# KiCad board pcb.kicad_pcb
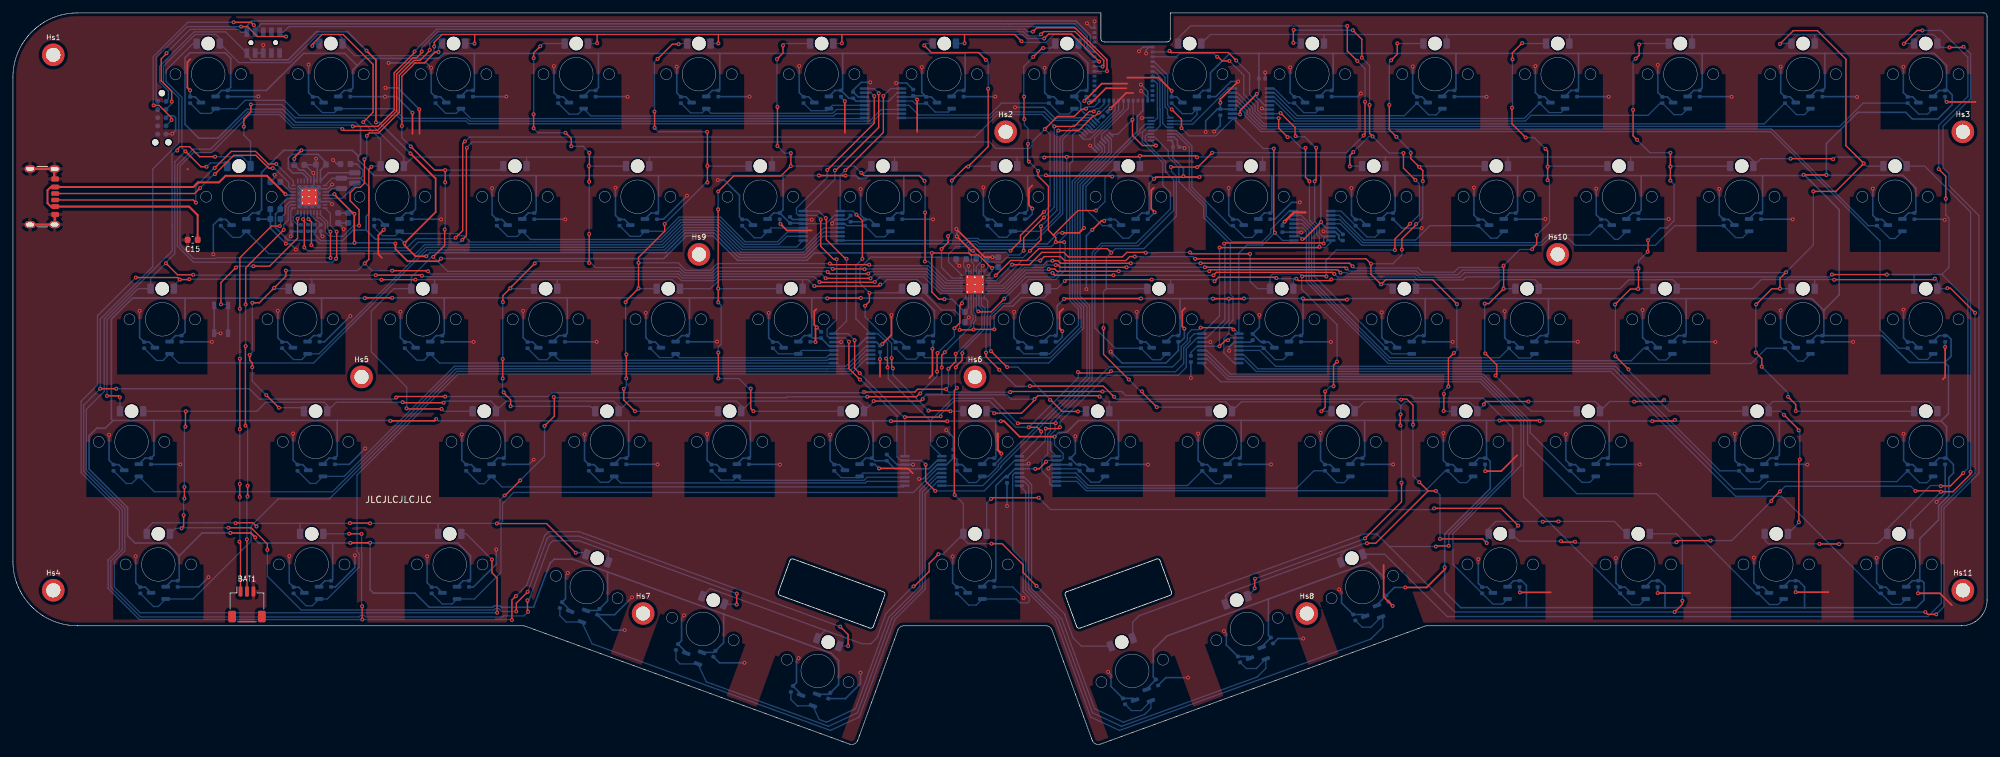
[diagram p0: board, top side]
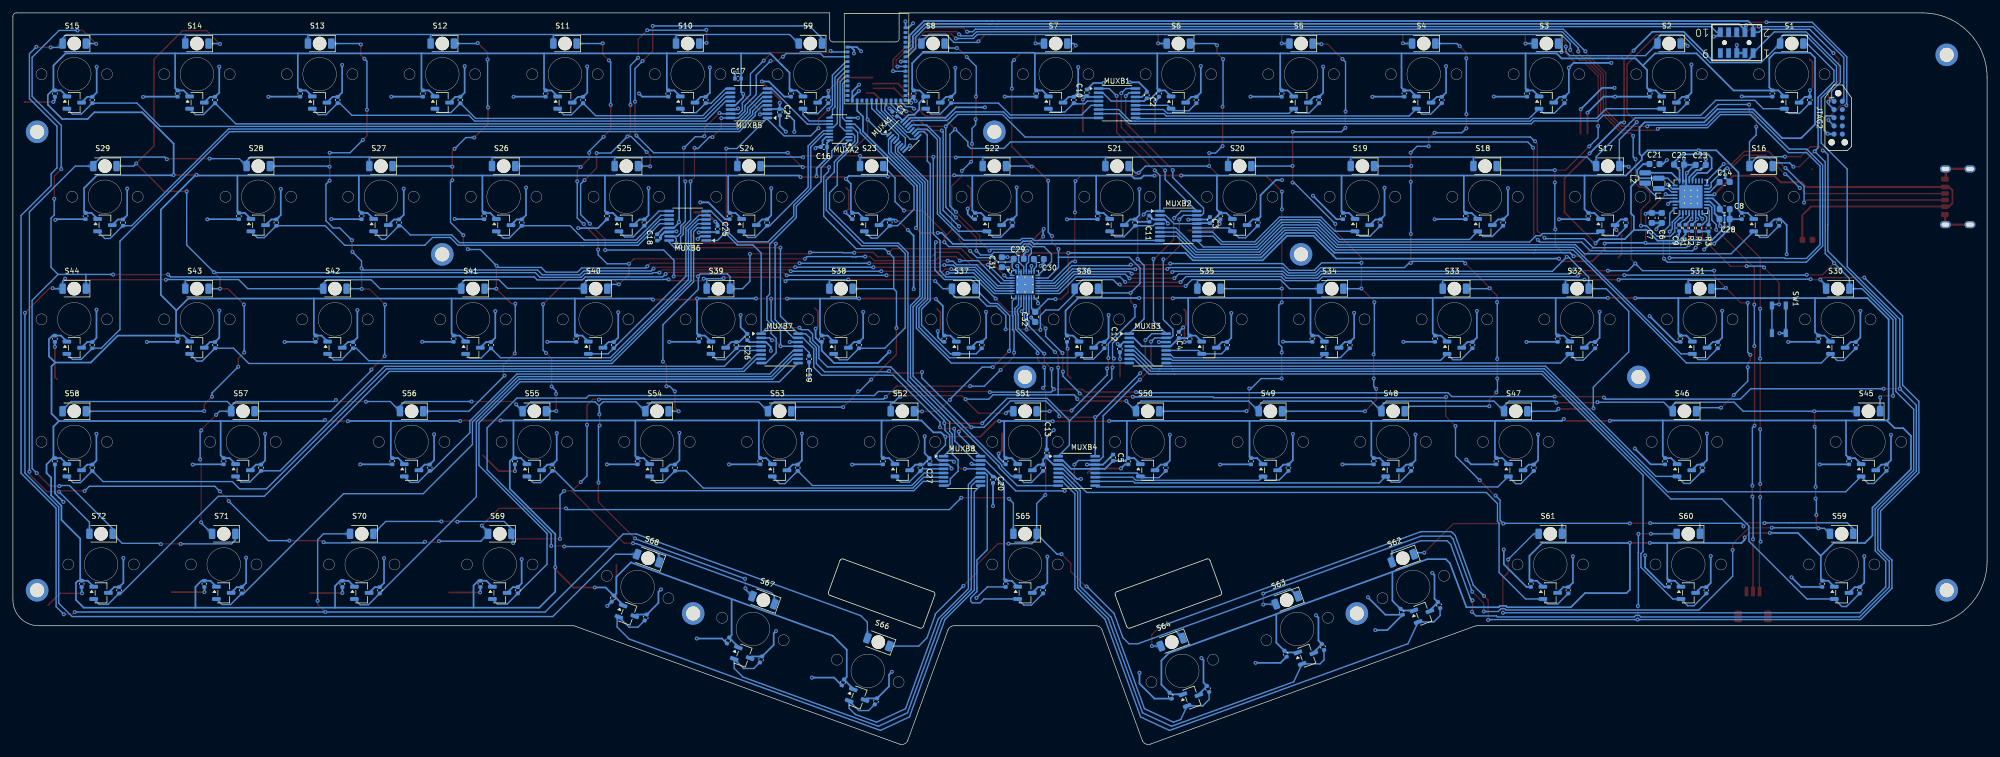
[diagram p1: board, bottom side, seen from below]

Outline 305.75 x 113.35 mm; copper layers: Top, Bottom. Coordinates in mm from the lower left corner of the outline.
Outline path: 0,103.35 0,28.35 arc(2.93,21.27) 10,18.35 78.99,18.35 arc(79.16,18.33) 79.33,18.29 129.57,0 arc(130.33,0.03) 130.85,0.6 137.07,17.69 arc(137.43,18.16) 138.01,18.35 159.99,18.35 arc(160.57,18.16) 160.93,17.69 167.15,0.6 arc(167.67,0.03) 168.43,0 218.67,18.29 arc(218.84,18.33) 219.01,18.35 301.75,18.35 arc(304.58,19.52) 305.75,22.35 305.75,112.85 arc(305.6,113.2) 305.25,113.35 179.25,113.35 179.25,109.35 arc(179.1,108.99) 178.75,108.85 169,108.85 arc(168.65,108.99) 168.5,109.35 168.5,113.35 10,113.35 arc(2.93,110.42) 0,103.35
Stack: Top 0.035mm / dielectric 1.51mm FR4 er 4.5 / Bottom 0.035mm

## Placement (name value [footprint] x y rotation side)
BAT1  ~  [JST_SH_SM03B-SRSS-TB_1x03-1MP_P1.00mm_Horizontal]  36.25 21.65 0 top
C1  .1uF  [C_0402_1005Metric]  169.19 97.69 225 bottom
C2  .1uF  [C_0402_1005Metric]  130.13 100.6 270 bottom
C3  .1uF  [C_0402_1005Metric]  120.36 81.24 270 bottom
C4  .1uF  [C_0402_1005Metric]  125.17 63.42 270 bottom
C5  .1uF  [C_0402_1005Metric]  135.35 44.41 270 bottom
C6  10uF  [C_0603_1608Metric]  50.38 81.56 270 bottom
C7  10uF  [C_0603_1608Metric]  51.93 81.57 270 bottom
C8  10uF  [C_0603_1608Metric]  40.64 82.93 180 bottom
C9  0.1uF  [C_0402_1005Metric]  47.68 80.02 90 bottom
C10  .1uF  [C_0402_1005Metric]  139.43 100.98 270 bottom
C11  .1uF  [C_0402_1005Metric]  129.74 81.46 270 bottom
C12  .1uF  [C_0402_1005Metric]  134.31 61.27 270 bottom
C13  .1uF  [C_0402_1005Metric]  145.64 45.16 270 bottom
C14  1uF  [C_0603_1608Metric]  40.64 87.14 180 bottom
C15  1uF  [C_0603_1608Metric]  27.84 78.17 180 top
C16  .1uF  [C_0402_1005Metric]  180.14 92.56 180 bottom
C17  .1uF  [C_0402_1005Metric]  193.45 103.17 180 bottom
C18  .1uF  [C_0402_1005Metric]  205.98 78.54 90 bottom
C19  .1uF  [C_0402_1005Metric]  182.44 59.71 90 bottom
C20  .1uF  [C_0402_1005Metric]  153.96 40.98 90 bottom
C21  10uF  [C_0603_1608Metric]  51.51 89.92 180 bottom
C22  10uF  [C_0603_1608Metric]  47.72 89.84 180 bottom
C23  2.2uF  [C_0603_1608Metric]  44.34 89.79 0 bottom
C24  .1uF  [C_0402_1005Metric]  186.99 97.96 270 bottom
C25  .1uF  [C_0402_1005Metric]  196.61 79.85 270 bottom
C26  .1uF  [C_0402_1005Metric]  192.01 63.11 270 bottom
C27  .1uF  [C_0402_1005Metric]  163.79 43.85 270 bottom
C28  2.2uF  [C_0603_1608Metric]  40.66 81.4 180 bottom
C29  1nF  [C_0603_1608Metric]  149.97 75.22 180 bottom
C30  1uF  [C_0603_1608Metric]  146.87 75.19 0 bottom
C31  1uF  [C_0603_1608Metric]  152.59 74.7 90 bottom
C32  1uF  [C_0603_1608Metric]  147.42 66.21 270 bottom
Cvcc1  0.1uF  [C_0402_1005Metric]  33.25 100.85 270 bottom
Cvcc2  0.1uF  [C_0402_1005Metric]  52.25 100.85 270 bottom
Cvcc3  0.1uF  [C_0402_1005Metric]  71.25 100.85 270 bottom
Cvcc4  0.1uF  [C_0402_1005Metric]  90.25 100.85 270 bottom
Cvcc5  0.1uF  [C_0402_1005Metric]  109.25 100.85 270 bottom
Cvcc6  0.1uF  [C_0402_1005Metric]  128.25 100.85 270 bottom
Cvcc7  0.1uF  [C_0402_1005Metric]  147.25 100.85 270 bottom
Cvcc8  0.1uF  [C_0402_1005Metric]  166.25 100.85 270 bottom
Cvcc9  0.1uF  [C_0402_1005Metric]  185.25 100.85 270 bottom
Cvcc10  0.1uF  [C_0402_1005Metric]  204.25 100.85 270 bottom
Cvcc11  0.1uF  [C_0402_1005Metric]  223.25 100.85 270 bottom
Cvcc12  0.1uF  [C_0402_1005Metric]  242.25 100.85 270 bottom
Cvcc13  0.1uF  [C_0402_1005Metric]  261.25 100.85 270 bottom
Cvcc14  0.1uF  [C_0402_1005Metric]  280.25 100.85 270 bottom
Cvcc15  0.1uF  [C_0402_1005Metric]  299.25 100.85 270 bottom
Cvcc16  0.1uF  [C_0402_1005Metric]  38 81.85 270 bottom
Cvcc17  0.1uF  [C_0402_1005Metric]  61.75 81.85 270 bottom
Cvcc18  0.1uF  [C_0402_1005Metric]  80.75 81.85 270 bottom
Cvcc19  0.1uF  [C_0402_1005Metric]  99.75 81.85 270 bottom
Cvcc20  0.1uF  [C_0402_1005Metric]  118.75 81.85 270 bottom
Cvcc21  0.1uF  [C_0402_1005Metric]  137.75 81.85 270 bottom
Cvcc22  0.1uF  [C_0402_1005Metric]  156.75 81.85 270 bottom
Cvcc23  0.1uF  [C_0402_1005Metric]  175.75 81.85 270 bottom
Cvcc24  0.1uF  [C_0402_1005Metric]  194.75 81.85 270 bottom
Cvcc25  0.1uF  [C_0402_1005Metric]  213.75 81.85 270 bottom
Cvcc26  0.1uF  [C_0402_1005Metric]  232.75 81.85 270 bottom
Cvcc27  0.1uF  [C_0402_1005Metric]  251.75 81.85 270 bottom
Cvcc28  0.1uF  [C_0402_1005Metric]  270.75 81.85 270 bottom
Cvcc29  0.1uF  [C_0402_1005Metric]  294.5 81.85 270 bottom
Cvcc30  0.1uF  [C_0402_1005Metric]  26.12 62.85 270 bottom
Cvcc31  0.1uF  [C_0402_1005Metric]  47.5 62.85 270 bottom
Cvcc32  0.1uF  [C_0402_1005Metric]  66.5 62.85 270 bottom
Cvcc33  0.1uF  [C_0402_1005Metric]  85.5 62.85 270 bottom
Cvcc34  0.1uF  [C_0402_1005Metric]  104.5 62.85 270 bottom
Cvcc35  0.1uF  [C_0402_1005Metric]  123.5 62.85 270 bottom
Cvcc36  0.1uF  [C_0402_1005Metric]  142.5 62.85 270 bottom
Cvcc37  0.1uF  [C_0402_1005Metric]  161.5 62.85 270 bottom
Cvcc38  0.1uF  [C_0402_1005Metric]  180.5 62.85 270 bottom
Cvcc39  0.1uF  [C_0402_1005Metric]  199.5 62.85 270 bottom
Cvcc40  0.1uF  [C_0402_1005Metric]  218.5 62.85 270 bottom
Cvcc41  0.1uF  [C_0402_1005Metric]  237.5 62.85 270 bottom
Cvcc42  0.1uF  [C_0402_1005Metric]  258.88 62.85 270 bottom
Cvcc43  0.1uF  [C_0402_1005Metric]  280.25 62.85 270 bottom
Cvcc44  0.1uF  [C_0402_1005Metric]  299.25 62.85 270 bottom
Cvcc45  0.1uF  [C_0402_1005Metric]  21.38 43.85 270 bottom
Cvcc46  0.1uF  [C_0402_1005Metric]  49.88 43.85 270 bottom
Cvcc47  0.1uF  [C_0402_1005Metric]  76 43.85 270 bottom
Cvcc48  0.1uF  [C_0402_1005Metric]  95 43.85 270 bottom
Cvcc49  0.1uF  [C_0402_1005Metric]  114 43.85 270 bottom
Cvcc50  0.1uF  [C_0402_1005Metric]  133 43.85 270 bottom
Cvcc51  0.1uF  [C_0402_1005Metric]  152 43.85 270 bottom
Cvcc52  0.1uF  [C_0402_1005Metric]  171 43.85 270 bottom
Cvcc53  0.1uF  [C_0402_1005Metric]  190 43.85 270 bottom
Cvcc54  0.1uF  [C_0402_1005Metric]  209 43.85 270 bottom
Cvcc55  0.1uF  [C_0402_1005Metric]  228 43.85 270 bottom
Cvcc56  0.1uF  [C_0402_1005Metric]  247 43.85 270 bottom
Cvcc57  0.1uF  [C_0402_1005Metric]  273.12 43.85 270 bottom
Cvcc58  0.1uF  [C_0402_1005Metric]  299.25 43.85 270 bottom
Cvcc59  0.1uF  [C_0402_1005Metric]  25.52 24.85 270 bottom
Cvcc60  0.1uF  [C_0402_1005Metric]  49.27 24.85 270 bottom
Cvcc61  0.1uF  [C_0402_1005Metric]  70.65 24.85 270 bottom
Cvcc62  0.1uF  [C_0402_1005Metric]  90.67 20.5 250 bottom
Cvcc63  0.1uF  [C_0402_1005Metric]  108.64 14 250 bottom
Cvcc64  0.1uF  [C_0402_1005Metric]  126.44 7.5 250 bottom
Cvcc65  0.1uF  [C_0402_1005Metric]  152 24.85 270 bottom
Cvcc66  0.1uF  [C_0402_1005Metric]  177.2 9.55 290 bottom
Cvcc67  0.1uF  [C_0402_1005Metric]  195 16.05 290 bottom
Cvcc68  0.1uF  [C_0402_1005Metric]  212.85 22.55 290 bottom
Cvcc69  0.1uF  [C_0402_1005Metric]  233.35 24.85 270 bottom
Cvcc70  0.1uF  [C_0402_1005Metric]  254.72 24.85 270 bottom
Cvcc71  0.1uF  [C_0402_1005Metric]  276.1 24.85 270 bottom
Cvcc72  0.1uF  [C_0402_1005Metric]  295.1 24.85 270 bottom
Cvout1  0.1nF  [C_0402_1005Metric]  27.45 99.85 90 bottom
Cvout2  0.1nF  [C_0402_1005Metric]  46.45 99.85 90 bottom
Cvout3  0.1nF  [C_0402_1005Metric]  65.45 99.85 90 bottom
Cvout4  0.1nF  [C_0402_1005Metric]  84.45 99.85 90 bottom
Cvout5  0.1nF  [C_0402_1005Metric]  103.45 99.85 90 bottom
Cvout6  0.1nF  [C_0402_1005Metric]  122.45 99.85 90 bottom
Cvout7  0.1nF  [C_0402_1005Metric]  141.45 99.85 90 bottom
Cvout8  0.1nF  [C_0402_1005Metric]  160.45 99.85 90 bottom
Cvout9  0.1nF  [C_0402_1005Metric]  179.45 99.85 90 bottom
Cvout10  0.1nF  [C_0402_1005Metric]  198.45 99.85 90 bottom
Cvout11  0.1nF  [C_0402_1005Metric]  217.45 99.85 90 bottom
Cvout12  0.1nF  [C_0402_1005Metric]  236.45 99.85 90 bottom
Cvout13  0.1nF  [C_0402_1005Metric]  255.45 99.85 90 bottom
Cvout14  0.1nF  [C_0402_1005Metric]  274.45 99.85 90 bottom
Cvout15  0.1nF  [C_0402_1005Metric]  293.45 99.85 90 bottom
Cvout16  0.1nF  [C_0402_1005Metric]  32.2 80.85 90 bottom
Cvout17  0.1nF  [C_0402_1005Metric]  55.95 80.85 90 bottom
Cvout18  0.1nF  [C_0402_1005Metric]  74.95 80.85 90 bottom
Cvout19  0.1nF  [C_0402_1005Metric]  93.95 80.85 90 bottom
Cvout20  0.1nF  [C_0402_1005Metric]  112.95 80.85 90 bottom
Cvout21  0.1nF  [C_0402_1005Metric]  131.95 80.85 90 bottom
Cvout22  0.1nF  [C_0402_1005Metric]  150.95 80.85 90 bottom
Cvout23  0.1nF  [C_0402_1005Metric]  169.95 80.85 90 bottom
Cvout24  0.1nF  [C_0402_1005Metric]  188.95 80.85 90 bottom
Cvout25  0.1nF  [C_0402_1005Metric]  207.95 80.85 90 bottom
Cvout26  0.1nF  [C_0402_1005Metric]  226.95 80.85 90 bottom
Cvout27  0.1nF  [C_0402_1005Metric]  245.95 80.85 90 bottom
Cvout28  0.1nF  [C_0402_1005Metric]  264.95 80.85 90 bottom
Cvout29  0.1nF  [C_0402_1005Metric]  288.7 80.85 90 bottom
Cvout30  0.1nF  [C_0402_1005Metric]  20.32 61.85 90 bottom
Cvout31  0.1nF  [C_0402_1005Metric]  41.7 61.85 90 bottom
Cvout32  0.1nF  [C_0402_1005Metric]  60.7 61.85 90 bottom
Cvout33  0.1nF  [C_0402_1005Metric]  79.7 61.85 90 bottom
Cvout34  0.1nF  [C_0402_1005Metric]  98.7 61.85 90 bottom
Cvout35  0.1nF  [C_0402_1005Metric]  117.7 61.85 90 bottom
Cvout36  0.1nF  [C_0402_1005Metric]  136.7 61.85 90 bottom
Cvout37  0.1nF  [C_0402_1005Metric]  155.7 61.85 90 bottom
Cvout38  0.1nF  [C_0402_1005Metric]  174.7 61.85 90 bottom
Cvout39  0.1nF  [C_0402_1005Metric]  193.7 61.85 90 bottom
Cvout40  0.1nF  [C_0402_1005Metric]  212.7 61.85 90 bottom
Cvout41  0.1nF  [C_0402_1005Metric]  231.7 61.85 90 bottom
Cvout42  0.1nF  [C_0402_1005Metric]  253.07 61.85 90 bottom
Cvout43  0.1nF  [C_0402_1005Metric]  274.45 61.85 90 bottom
Cvout44  0.1nF  [C_0402_1005Metric]  293.45 61.85 90 bottom
Cvout45  0.1nF  [C_0402_1005Metric]  15.57 42.85 90 bottom
Cvout46  0.1nF  [C_0402_1005Metric]  44.08 42.85 90 bottom
Cvout47  0.1nF  [C_0402_1005Metric]  70.2 42.85 90 bottom
Cvout48  0.1nF  [C_0402_1005Metric]  89.2 42.85 90 bottom
Cvout49  0.1nF  [C_0402_1005Metric]  108.2 42.85 90 bottom
Cvout50  0.1nF  [C_0402_1005Metric]  127.2 42.85 90 bottom
Cvout51  0.1nF  [C_0402_1005Metric]  146.2 42.85 90 bottom
Cvout52  0.1nF  [C_0402_1005Metric]  165.2 42.85 90 bottom
Cvout53  0.1nF  [C_0402_1005Metric]  184.2 42.85 90 bottom
Cvout54  0.1nF  [C_0402_1005Metric]  203.2 42.85 90 bottom
Cvout55  0.1nF  [C_0402_1005Metric]  222.2 42.85 90 bottom
Cvout56  0.1nF  [C_0402_1005Metric]  241.2 42.85 90 bottom
Cvout57  0.1nF  [C_0402_1005Metric]  267.32 42.85 90 bottom
Cvout58  0.1nF  [C_0402_1005Metric]  293.45 42.85 90 bottom
Cvout59  0.1nF  [C_0402_1005Metric]  19.73 23.85 90 bottom
Cvout60  0.1nF  [C_0402_1005Metric]  43.48 23.85 90 bottom
Cvout61  0.1nF  [C_0402_1005Metric]  64.85 23.85 90 bottom
Cvout62  0.1nF  [C_0402_1005Metric]  84.88 21.54 70 bottom
Cvout63  0.1nF  [C_0402_1005Metric]  102.85 15.04 70 bottom
Cvout64  0.1nF  [C_0402_1005Metric]  120.65 8.54 70 bottom
Cvout65  0.1nF  [C_0402_1005Metric]  146.2 23.85 90 bottom
Cvout66  0.1nF  [C_0402_1005Metric]  172.09 6.63 110 bottom
Cvout67  0.1nF  [C_0402_1005Metric]  189.89 13.13 110 bottom
Cvout68  0.1nF  [C_0402_1005Metric]  207.74 19.63 110 bottom
Cvout69  0.1nF  [C_0402_1005Metric]  227.55 23.85 90 bottom
Cvout70  0.1nF  [C_0402_1005Metric]  248.93 23.85 90 bottom
Cvout71  0.1nF  [C_0402_1005Metric]  270.3 23.85 90 bottom
Cvout72  0.1nF  [C_0402_1005Metric]  289.3 23.85 90 bottom
D1  Green LED  [LED_1206_3216Metric_ReverseMount_Hole2.1mm]  30.25 108.6 0 bottom
D2  Green LED  [LED_1206_3216Metric_ReverseMount_Hole2.1mm]  49.25 108.6 0 bottom
D3  Green LED  [LED_1206_3216Metric_ReverseMount_Hole2.1mm]  68.25 108.6 0 bottom
D4  Green LED  [LED_1206_3216Metric_ReverseMount_Hole2.1mm]  87.25 108.6 0 bottom
D5  Green LED  [LED_1206_3216Metric_ReverseMount_Hole2.1mm]  106.25 108.6 0 bottom
D6  Green LED  [LED_1206_3216Metric_ReverseMount_Hole2.1mm]  125.25 108.6 0 bottom
D7  Green LED  [LED_1206_3216Metric_ReverseMount_Hole2.1mm]  144.25 108.6 0 bottom
D8  Green LED  [LED_1206_3216Metric_ReverseMount_Hole2.1mm]  163.25 108.6 0 bottom
D9  Green LED  [LED_1206_3216Metric_ReverseMount_Hole2.1mm]  182.25 108.6 0 bottom
D10  Green LED  [LED_1206_3216Metric_ReverseMount_Hole2.1mm]  201.25 108.6 0 bottom
D11  Green LED  [LED_1206_3216Metric_ReverseMount_Hole2.1mm]  220.25 108.6 0 bottom
D12  Green LED  [LED_1206_3216Metric_ReverseMount_Hole2.1mm]  239.25 108.6 0 bottom
D13  Green LED  [LED_1206_3216Metric_ReverseMount_Hole2.1mm]  258.25 108.6 0 bottom
D14  Green LED  [LED_1206_3216Metric_ReverseMount_Hole2.1mm]  277.25 108.6 0 bottom
D15  Green LED  [LED_1206_3216Metric_ReverseMount_Hole2.1mm]  296.25 108.6 0 bottom
D16  Green LED  [LED_1206_3216Metric_ReverseMount_Hole2.1mm]  35 89.6 0 bottom
D17  Green LED  [LED_1206_3216Metric_ReverseMount_Hole2.1mm]  58.75 89.6 0 bottom
D18  Green LED  [LED_1206_3216Metric_ReverseMount_Hole2.1mm]  77.75 89.6 0 bottom
D19  Green LED  [LED_1206_3216Metric_ReverseMount_Hole2.1mm]  96.75 89.6 0 bottom
D20  Green LED  [LED_1206_3216Metric_ReverseMount_Hole2.1mm]  115.75 89.6 0 bottom
D21  Green LED  [LED_1206_3216Metric_ReverseMount_Hole2.1mm]  134.75 89.6 0 bottom
D22  Green LED  [LED_1206_3216Metric_ReverseMount_Hole2.1mm]  153.75 89.6 0 bottom
D23  Green LED  [LED_1206_3216Metric_ReverseMount_Hole2.1mm]  172.75 89.6 0 bottom
D24  Green LED  [LED_1206_3216Metric_ReverseMount_Hole2.1mm]  191.75 89.6 0 bottom
D25  Green LED  [LED_1206_3216Metric_ReverseMount_Hole2.1mm]  210.75 89.6 0 bottom
D26  Green LED  [LED_1206_3216Metric_ReverseMount_Hole2.1mm]  229.75 89.6 0 bottom
D27  Green LED  [LED_1206_3216Metric_ReverseMount_Hole2.1mm]  248.75 89.6 0 bottom
D28  Green LED  [LED_1206_3216Metric_ReverseMount_Hole2.1mm]  267.75 89.6 0 bottom
D29  Green LED  [LED_1206_3216Metric_ReverseMount_Hole2.1mm]  291.5 89.6 0 bottom
D30  Green LED  [LED_1206_3216Metric_ReverseMount_Hole2.1mm]  23.12 70.6 0 bottom
D31  Green LED  [LED_1206_3216Metric_ReverseMount_Hole2.1mm]  44.5 70.6 0 bottom
D32  Green LED  [LED_1206_3216Metric_ReverseMount_Hole2.1mm]  63.5 70.6 0 bottom
D33  Green LED  [LED_1206_3216Metric_ReverseMount_Hole2.1mm]  82.5 70.6 0 bottom
D34  Green LED  [LED_1206_3216Metric_ReverseMount_Hole2.1mm]  101.5 70.6 0 bottom
D35  Green LED  [LED_1206_3216Metric_ReverseMount_Hole2.1mm]  120.5 70.6 0 bottom
D36  Green LED  [LED_1206_3216Metric_ReverseMount_Hole2.1mm]  139.5 70.6 0 bottom
D37  Green LED  [LED_1206_3216Metric_ReverseMount_Hole2.1mm]  158.5 70.6 0 bottom
D38  Green LED  [LED_1206_3216Metric_ReverseMount_Hole2.1mm]  177.5 70.6 0 bottom
D39  Green LED  [LED_1206_3216Metric_ReverseMount_Hole2.1mm]  196.5 70.6 0 bottom
D40  Green LED  [LED_1206_3216Metric_ReverseMount_Hole2.1mm]  215.5 70.6 0 bottom
D41  Green LED  [LED_1206_3216Metric_ReverseMount_Hole2.1mm]  234.5 70.6 0 bottom
D42  Green LED  [LED_1206_3216Metric_ReverseMount_Hole2.1mm]  255.88 70.6 0 bottom
D43  Green LED  [LED_1206_3216Metric_ReverseMount_Hole2.1mm]  277.25 70.6 0 bottom
D44  Green LED  [LED_1206_3216Metric_ReverseMount_Hole2.1mm]  296.25 70.6 0 bottom
D45  Green LED  [LED_1206_3216Metric_ReverseMount_Hole2.1mm]  18.38 51.6 0 bottom
D46  Green LED  [LED_1206_3216Metric_ReverseMount_Hole2.1mm]  46.88 51.6 0 bottom
D47  Green LED  [LED_1206_3216Metric_ReverseMount_Hole2.1mm]  73 51.6 0 bottom
D48  Green LED  [LED_1206_3216Metric_ReverseMount_Hole2.1mm]  92 51.6 0 bottom
D49  Green LED  [LED_1206_3216Metric_ReverseMount_Hole2.1mm]  111 51.6 0 bottom
D50  Green LED  [LED_1206_3216Metric_ReverseMount_Hole2.1mm]  130 51.6 0 bottom
D51  Green LED  [LED_1206_3216Metric_ReverseMount_Hole2.1mm]  149 51.6 0 bottom
D52  Green LED  [LED_1206_3216Metric_ReverseMount_Hole2.1mm]  168 51.6 0 bottom
D53  Green LED  [LED_1206_3216Metric_ReverseMount_Hole2.1mm]  187 51.6 0 bottom
D54  Green LED  [LED_1206_3216Metric_ReverseMount_Hole2.1mm]  206 51.6 0 bottom
D55  Green LED  [LED_1206_3216Metric_ReverseMount_Hole2.1mm]  225 51.6 0 bottom
D56  Green LED  [LED_1206_3216Metric_ReverseMount_Hole2.1mm]  244 51.6 0 bottom
D57  Green LED  [LED_1206_3216Metric_ReverseMount_Hole2.1mm]  270.12 51.6 0 bottom
D58  Green LED  [LED_1206_3216Metric_ReverseMount_Hole2.1mm]  296.25 51.6 0 bottom
D59  Green LED  [LED_1206_3216Metric_ReverseMount_Hole2.1mm]  22.52 32.6 0 bottom
D60  Green LED  [LED_1206_3216Metric_ReverseMount_Hole2.1mm]  46.27 32.6 0 bottom
D61  Green LED  [LED_1206_3216Metric_ReverseMount_Hole2.1mm]  67.65 32.6 0 bottom
D62  Green LED  [LED_1206_3216Metric_ReverseMount_Hole2.1mm]  90.5 28.81 340 bottom
D63  Green LED  [LED_1206_3216Metric_ReverseMount_Hole2.1mm]  108.47 22.31 340 bottom
D64  Green LED  [LED_1206_3216Metric_ReverseMount_Hole2.1mm]  126.27 15.81 340 bottom
D65  Green LED  [LED_1206_3216Metric_ReverseMount_Hole2.1mm]  149 32.6 0 bottom
D66  Green LED  [LED_1206_3216Metric_ReverseMount_Hole2.1mm]  171.73 15.81 20 bottom
D67  Green LED  [LED_1206_3216Metric_ReverseMount_Hole2.1mm]  189.53 22.31 20 bottom
D68  Green LED  [LED_1206_3216Metric_ReverseMount_Hole2.1mm]  207.38 28.81 20 bottom
D69  Green LED  [LED_1206_3216Metric_ReverseMount_Hole2.1mm]  230.35 32.6 0 bottom
D70  Green LED  [LED_1206_3216Metric_ReverseMount_Hole2.1mm]  251.72 32.6 0 bottom
D71  Green LED  [LED_1206_3216Metric_ReverseMount_Hole2.1mm]  273.1 32.6 0 bottom
D72  Green LED  [LED_1206_3216Metric_ReverseMount_Hole2.1mm]  292.1 32.6 0 bottom
Hs1  M2_Pad  [MountingHole_2.2mm_M2_ISO7380_Pad_TopBottom]  6.25 106.85 0 top
Hs2  M2_Pad  [MountingHole_2.2mm_M2_ISO7380_Pad_TopBottom]  153.75 94.92 0 top
Hs3  M2_Pad  [MountingHole_2.2mm_M2_ISO7380_Pad_TopBottom]  302 94.92 0 top
Hs4  M2_Pad  [MountingHole_2.2mm_M2_ISO7380_Pad_TopBottom]  6.25 23.85 0 top
Hs5  M2_Pad  [MountingHole_2.2mm_M2_ISO7380_Pad_TopBottom]  54 56.92 0 top
Hs6  M2_Pad  [MountingHole_2.2mm_M2_ISO7380_Pad_TopBottom]  149 56.92 0 top
Hs7  M2_Pad  [MountingHole_2.2mm_M2_ISO7380_Pad_TopBottom]  97.61 20.25 0 top
Hs8  M2_Pad  [MountingHole_2.2mm_M2_ISO7380_Pad_TopBottom]  200.4 20.25 0 top
Hs9  M2_Pad  [MountingHole_2.2mm_M2_ISO7380_Pad_TopBottom]  106.25 75.92 0 top
Hs10  M2_Pad  [MountingHole_2.2mm_M2_ISO7380_Pad_TopBottom]  239.25 75.92 0 top
Hs11  M2_Pad  [MountingHole_2.2mm_M2_ISO7380_Pad_TopBottom]  302 23.85 0 top
JLC1  -  [JLC_Order_Num]  59.82 37.8 0 top
JTAG1  Conn_02x05_Odd_Even  [SAMTEC-CLP-105-02-X-D-A]  38.77 108.74 0 bottom
JTAG2  Conn_02x05_Odd_Even  [Tag-Connect_TC2050-IDC-NL_2x05_P1.27mm_Vertical]  23.06 97.1 270 bottom
L1  2.2uH  [L_Samsung_CIGT201610EH2R2MNE]  50.86 86.92 270 bottom
L2  2.2uH  [L_Samsung_CIGT201610EH2R2MNE]  52.96 87.76 270 bottom
LEDDR1  LP5864  [VQFN-32-1EP_4x4mm_P0.4mm_EP2.8x2.8mm_ThermalVias]  149 71.25 180 bottom
M1  Ezurio BL54L15 (nrf54L15) module  [Ezurio_BL54L15_Module]  167 99.25 90 bottom
MUXA1  TMUX1574DYY  [Texas_DYY0016A_TSOT-23-16_2x4.2mm_P0.5mm]  167.75 94.35 135 bottom
MUXA2  TMUX1574DYY  [Texas_DYY0016A_TSOT-23-16_2x4.2mm_P0.5mm]  177.75 95.35 0 bottom
MUXB1  TMUX1108PW  [TSSOP-16_4.4x5mm_P0.65mm]  134.75 99.35 180 bottom
MUXB2  TMUX1108PW  [TSSOP-16_4.4x5mm_P0.65mm]  125.25 80.35 180 bottom
MUXB3  TMUX1108PW  [TSSOP-16_4.4x5mm_P0.65mm]  130 61.35 180 bottom
MUXB4  TMUX1108PW  [TSSOP-16_4.4x5mm_P0.65mm]  141 42.35 180 bottom
MUXB5  TMUX1108PW  [TSSOP-16_4.4x5mm_P0.65mm]  191.75 99.35 0 bottom
MUXB6  TMUX1108PW  [TSSOP-16_4.4x5mm_P0.65mm]  201.25 80.35 0 bottom
MUXB7  TMUX1108PW  [TSSOP-16_4.4x5mm_P0.65mm]  187 61.35 180 bottom
MUXB8  TMUX1108PW  [TSSOP-16_4.4x5mm_P0.65mm]  158.75 42.35 180 bottom
PMIC1  nPM1300-QEXX  [QFN-32-1EP_5x5mm_P0.5mm_EP3.6x3.6mm_ThermalVias]  45.88 84.85 180 bottom
R1  10k  [R_0402_1005Metric]  45.69 80.01 90 bottom
R2  10k  [R_0402_1005Metric]  46.7 80.01 90 bottom
R3  47k  [R_0402_1005Metric]  43.14 79.98 90 bottom
R4  47k  [R_0402_1005Metric]  44.61 80 90 bottom
S1  Switch  [Gateron_Switch_Lowpro]  30.25 103.85 0 top
S2  Switch  [Gateron_Switch_Lowpro]  49.25 103.85 0 top
S3  Switch  [Gateron_Switch_Lowpro]  68.25 103.85 0 top
S4  Switch  [Gateron_Switch_Lowpro]  87.25 103.85 0 top
S5  Switch  [Gateron_Switch_Lowpro]  106.25 103.85 0 top
S6  Switch  [Gateron_Switch_Lowpro]  125.25 103.85 0 top
S7  Switch  [Gateron_Switch_Lowpro]  144.25 103.85 0 top
S8  Switch  [Gateron_Switch_Lowpro]  163.25 103.85 0 top
S9  Switch  [Gateron_Switch_Lowpro]  182.25 103.85 0 top
S10  Switch  [Gateron_Switch_Lowpro]  201.25 103.85 0 top
S11  Switch  [Gateron_Switch_Lowpro]  220.25 103.85 0 top
S12  Switch  [Gateron_Switch_Lowpro]  239.25 103.85 0 top
S13  Switch  [Gateron_Switch_Lowpro]  258.25 103.85 0 top
S14  Switch  [Gateron_Switch_Lowpro]  277.25 103.85 0 top
S15  Switch  [Gateron_Switch_Lowpro]  296.25 103.85 0 top
S16  Switch  [Gateron_Switch_Lowpro]  35 84.85 0 top
S17  Switch  [Gateron_Switch_Lowpro]  58.75 84.85 0 top
S18  Switch  [Gateron_Switch_Lowpro]  77.75 84.85 0 top
S19  Switch  [Gateron_Switch_Lowpro]  96.75 84.85 0 top
S20  Switch  [Gateron_Switch_Lowpro]  115.75 84.85 0 top
S21  Switch  [Gateron_Switch_Lowpro]  134.75 84.85 0 top
S22  Switch  [Gateron_Switch_Lowpro]  153.75 84.85 0 top
S23  Switch  [Gateron_Switch_Lowpro]  172.75 84.85 0 top
S24  Switch  [Gateron_Switch_Lowpro]  191.75 84.85 0 top
S25  Switch  [Gateron_Switch_Lowpro]  210.75 84.85 0 top
S26  Switch  [Gateron_Switch_Lowpro]  229.75 84.85 0 top
S27  Switch  [Gateron_Switch_Lowpro]  248.75 84.85 0 top
S28  Switch  [Gateron_Switch_Lowpro]  267.75 84.85 0 top
S29  Switch  [Gateron_Switch_Lowpro]  291.5 84.85 0 top
S30  Switch  [Gateron_Switch_Lowpro]  23.12 65.85 0 top
S31  Switch  [Gateron_Switch_Lowpro]  44.5 65.85 0 top
S32  Switch  [Gateron_Switch_Lowpro]  63.5 65.85 0 top
S33  Switch  [Gateron_Switch_Lowpro]  82.5 65.85 0 top
S34  Switch  [Gateron_Switch_Lowpro]  101.5 65.85 0 top
S35  Switch  [Gateron_Switch_Lowpro]  120.5 65.85 0 top
S36  Switch  [Gateron_Switch_Lowpro]  139.5 65.85 0 top
S37  Switch  [Gateron_Switch_Lowpro]  158.5 65.85 0 top
S38  Switch  [Gateron_Switch_Lowpro]  177.5 65.85 0 top
S39  Switch  [Gateron_Switch_Lowpro]  196.5 65.85 0 top
S40  Switch  [Gateron_Switch_Lowpro]  215.5 65.85 0 top
S41  Switch  [Gateron_Switch_Lowpro]  234.5 65.85 0 top
S42  Switch  [Gateron_Switch_Lowpro]  255.88 65.85 0 top
S43  Switch  [Gateron_Switch_Lowpro]  277.25 65.85 0 top
S44  Switch  [Gateron_Switch_Lowpro]  296.25 65.85 0 top
S45  Switch  [Gateron_Switch_Lowpro]  18.38 46.85 0 top
S46  Switch  [Gateron_Switch_Lowpro]  46.88 46.85 0 top
S47  Switch  [Gateron_Switch_Lowpro]  73 46.85 0 top
S48  Switch  [Gateron_Switch_Lowpro]  92 46.85 0 top
S49  Switch  [Gateron_Switch_Lowpro]  111 46.85 0 top
S50  Switch  [Gateron_Switch_Lowpro]  130 46.85 0 top
S51  Switch  [Gateron_Switch_Lowpro]  149 46.85 0 top
S52  Switch  [Gateron_Switch_Lowpro]  168 46.85 0 top
S53  Switch  [Gateron_Switch_Lowpro]  187 46.85 0 top
S54  Switch  [Gateron_Switch_Lowpro]  206 46.85 0 top
S55  Switch  [Gateron_Switch_Lowpro]  225 46.85 0 top
S56  Switch  [Gateron_Switch_Lowpro]  244 46.85 0 top
S57  Switch  [Gateron_Switch_Lowpro]  270.12 46.85 0 top
S58  Switch  [Gateron_Switch_Lowpro]  296.25 46.85 0 top
S59  Switch  [Gateron_Switch_Lowpro]  22.52 27.85 0 top
S60  Switch  [Gateron_Switch_Lowpro]  46.27 27.85 0 top
S61  Switch  [Gateron_Switch_Lowpro]  67.65 27.85 0 top
S62  Switch  [Gateron_Switch_Lowpro]  88.88 24.35 340 top
S63  Switch  [Gateron_Switch_Lowpro]  106.85 17.85 340 top
S64  Switch  [Gateron_Switch_Lowpro]  124.65 11.35 340 top
S65  Switch  [Gateron_Switch_Lowpro]  149 27.85 0 top
S66  Switch  [Gateron_Switch_Lowpro]  173.35 11.35 20 top
S67  Switch  [Gateron_Switch_Lowpro]  191.15 17.85 20 top
S68  Switch  [Gateron_Switch_Lowpro]  209 24.35 20 top
S69  Switch  [Gateron_Switch_Lowpro]  230.35 27.85 0 top
S70  Switch  [Gateron_Switch_Lowpro]  251.72 27.85 0 top
S71  Switch  [Gateron_Switch_Lowpro]  273.1 27.85 0 top
S72  Switch  [Gateron_Switch_Lowpro]  292.1 27.85 0 top
Stb1  TMR_switch_stab_2.0u  [Stabilizer_Lowpro_2U]  124.65 11.35 70 top
Stb2  TMR_switch_stab_2.0u  [Stabilizer_Lowpro_2U]  173.35 11.35 290 top
SW1  SW_DIP_x01  [Button_Switch_3x4x2.5]  32.25 65.85 270 bottom
TMR1  TMR2617  [SOT-23-3]  30.25 99.45 180 bottom
TMR2  TMR2617  [SOT-23-3]  49.25 99.45 180 bottom
TMR3  TMR2617  [SOT-23-3]  68.25 99.45 180 bottom
TMR4  TMR2617  [SOT-23-3]  87.25 99.45 180 bottom
TMR5  TMR2617  [SOT-23-3]  106.25 99.45 180 bottom
TMR6  TMR2617  [SOT-23-3]  125.25 99.45 180 bottom
TMR7  TMR2617  [SOT-23-3]  144.25 99.45 180 bottom
TMR8  TMR2617  [SOT-23-3]  163.25 99.45 180 bottom
TMR9  TMR2617  [SOT-23-3]  182.25 99.45 180 bottom
TMR10  TMR2617  [SOT-23-3]  201.25 99.45 180 bottom
TMR11  TMR2617  [SOT-23-3]  220.25 99.45 180 bottom
TMR12  TMR2617  [SOT-23-3]  239.25 99.45 180 bottom
TMR13  TMR2617  [SOT-23-3]  258.25 99.45 180 bottom
TMR14  TMR2617  [SOT-23-3]  277.25 99.45 180 bottom
TMR15  TMR2617  [SOT-23-3]  296.25 99.45 180 bottom
TMR16  TMR2617  [SOT-23-3]  35 80.45 180 bottom
TMR17  TMR2617  [SOT-23-3]  58.75 80.45 180 bottom
TMR18  TMR2617  [SOT-23-3]  77.75 80.45 180 bottom
TMR19  TMR2617  [SOT-23-3]  96.75 80.45 180 bottom
TMR20  TMR2617  [SOT-23-3]  115.75 80.45 180 bottom
TMR21  TMR2617  [SOT-23-3]  134.75 80.45 180 bottom
TMR22  TMR2617  [SOT-23-3]  153.75 80.45 180 bottom
TMR23  TMR2617  [SOT-23-3]  172.75 80.45 180 bottom
TMR24  TMR2617  [SOT-23-3]  191.75 80.45 180 bottom
TMR25  TMR2617  [SOT-23-3]  210.75 80.45 180 bottom
TMR26  TMR2617  [SOT-23-3]  229.75 80.45 180 bottom
TMR27  TMR2617  [SOT-23-3]  248.75 80.45 180 bottom
TMR28  TMR2617  [SOT-23-3]  267.75 80.45 180 bottom
TMR29  TMR2617  [SOT-23-3]  291.5 80.45 180 bottom
TMR30  TMR2617  [SOT-23-3]  23.12 61.45 180 bottom
TMR31  TMR2617  [SOT-23-3]  44.5 61.45 180 bottom
TMR32  TMR2617  [SOT-23-3]  63.5 61.45 180 bottom
TMR33  TMR2617  [SOT-23-3]  82.5 61.45 180 bottom
TMR34  TMR2617  [SOT-23-3]  101.5 61.45 180 bottom
TMR35  TMR2617  [SOT-23-3]  120.5 61.45 180 bottom
TMR36  TMR2617  [SOT-23-3]  139.5 61.45 180 bottom
TMR37  TMR2617  [SOT-23-3]  158.5 61.45 180 bottom
TMR38  TMR2617  [SOT-23-3]  177.5 61.45 180 bottom
TMR39  TMR2617  [SOT-23-3]  196.5 61.45 180 bottom
TMR40  TMR2617  [SOT-23-3]  215.5 61.45 180 bottom
TMR41  TMR2617  [SOT-23-3]  234.5 61.45 180 bottom
TMR42  TMR2617  [SOT-23-3]  255.88 61.45 180 bottom
TMR43  TMR2617  [SOT-23-3]  277.25 61.45 180 bottom
TMR44  TMR2617  [SOT-23-3]  296.25 61.45 180 bottom
TMR45  TMR2617  [SOT-23-3]  18.38 42.45 180 bottom
TMR46  TMR2617  [SOT-23-3]  46.88 42.45 180 bottom
TMR47  TMR2617  [SOT-23-3]  73 42.45 180 bottom
TMR48  TMR2617  [SOT-23-3]  92 42.45 180 bottom
TMR49  TMR2617  [SOT-23-3]  111 42.45 180 bottom
TMR50  TMR2617  [SOT-23-3]  130 42.45 180 bottom
TMR51  TMR2617  [SOT-23-3]  149 42.45 180 bottom
TMR52  TMR2617  [SOT-23-3]  168 42.45 180 bottom
TMR53  TMR2617  [SOT-23-3]  187 42.45 180 bottom
TMR54  TMR2617  [SOT-23-3]  206 42.45 180 bottom
TMR55  TMR2617  [SOT-23-3]  225 42.45 180 bottom
TMR56  TMR2617  [SOT-23-3]  244 42.45 180 bottom
TMR57  TMR2617  [SOT-23-3]  270.12 42.45 180 bottom